# Altium PCB CableNodeRevF Export in PCB ASCII Format.PcbDoc (part 4 of 4)
Units mil, origin at the board's own origin, x right, y up, seen from the top; angles counter-clockwise.
Board outline 3393.33 x 4682.75 mil, 4 copper layers (Top Layer, Internal Plane 1, Internal Plane 2, Bottom Layer); 163 components, 86 nets, 408 pads, 182 vias.
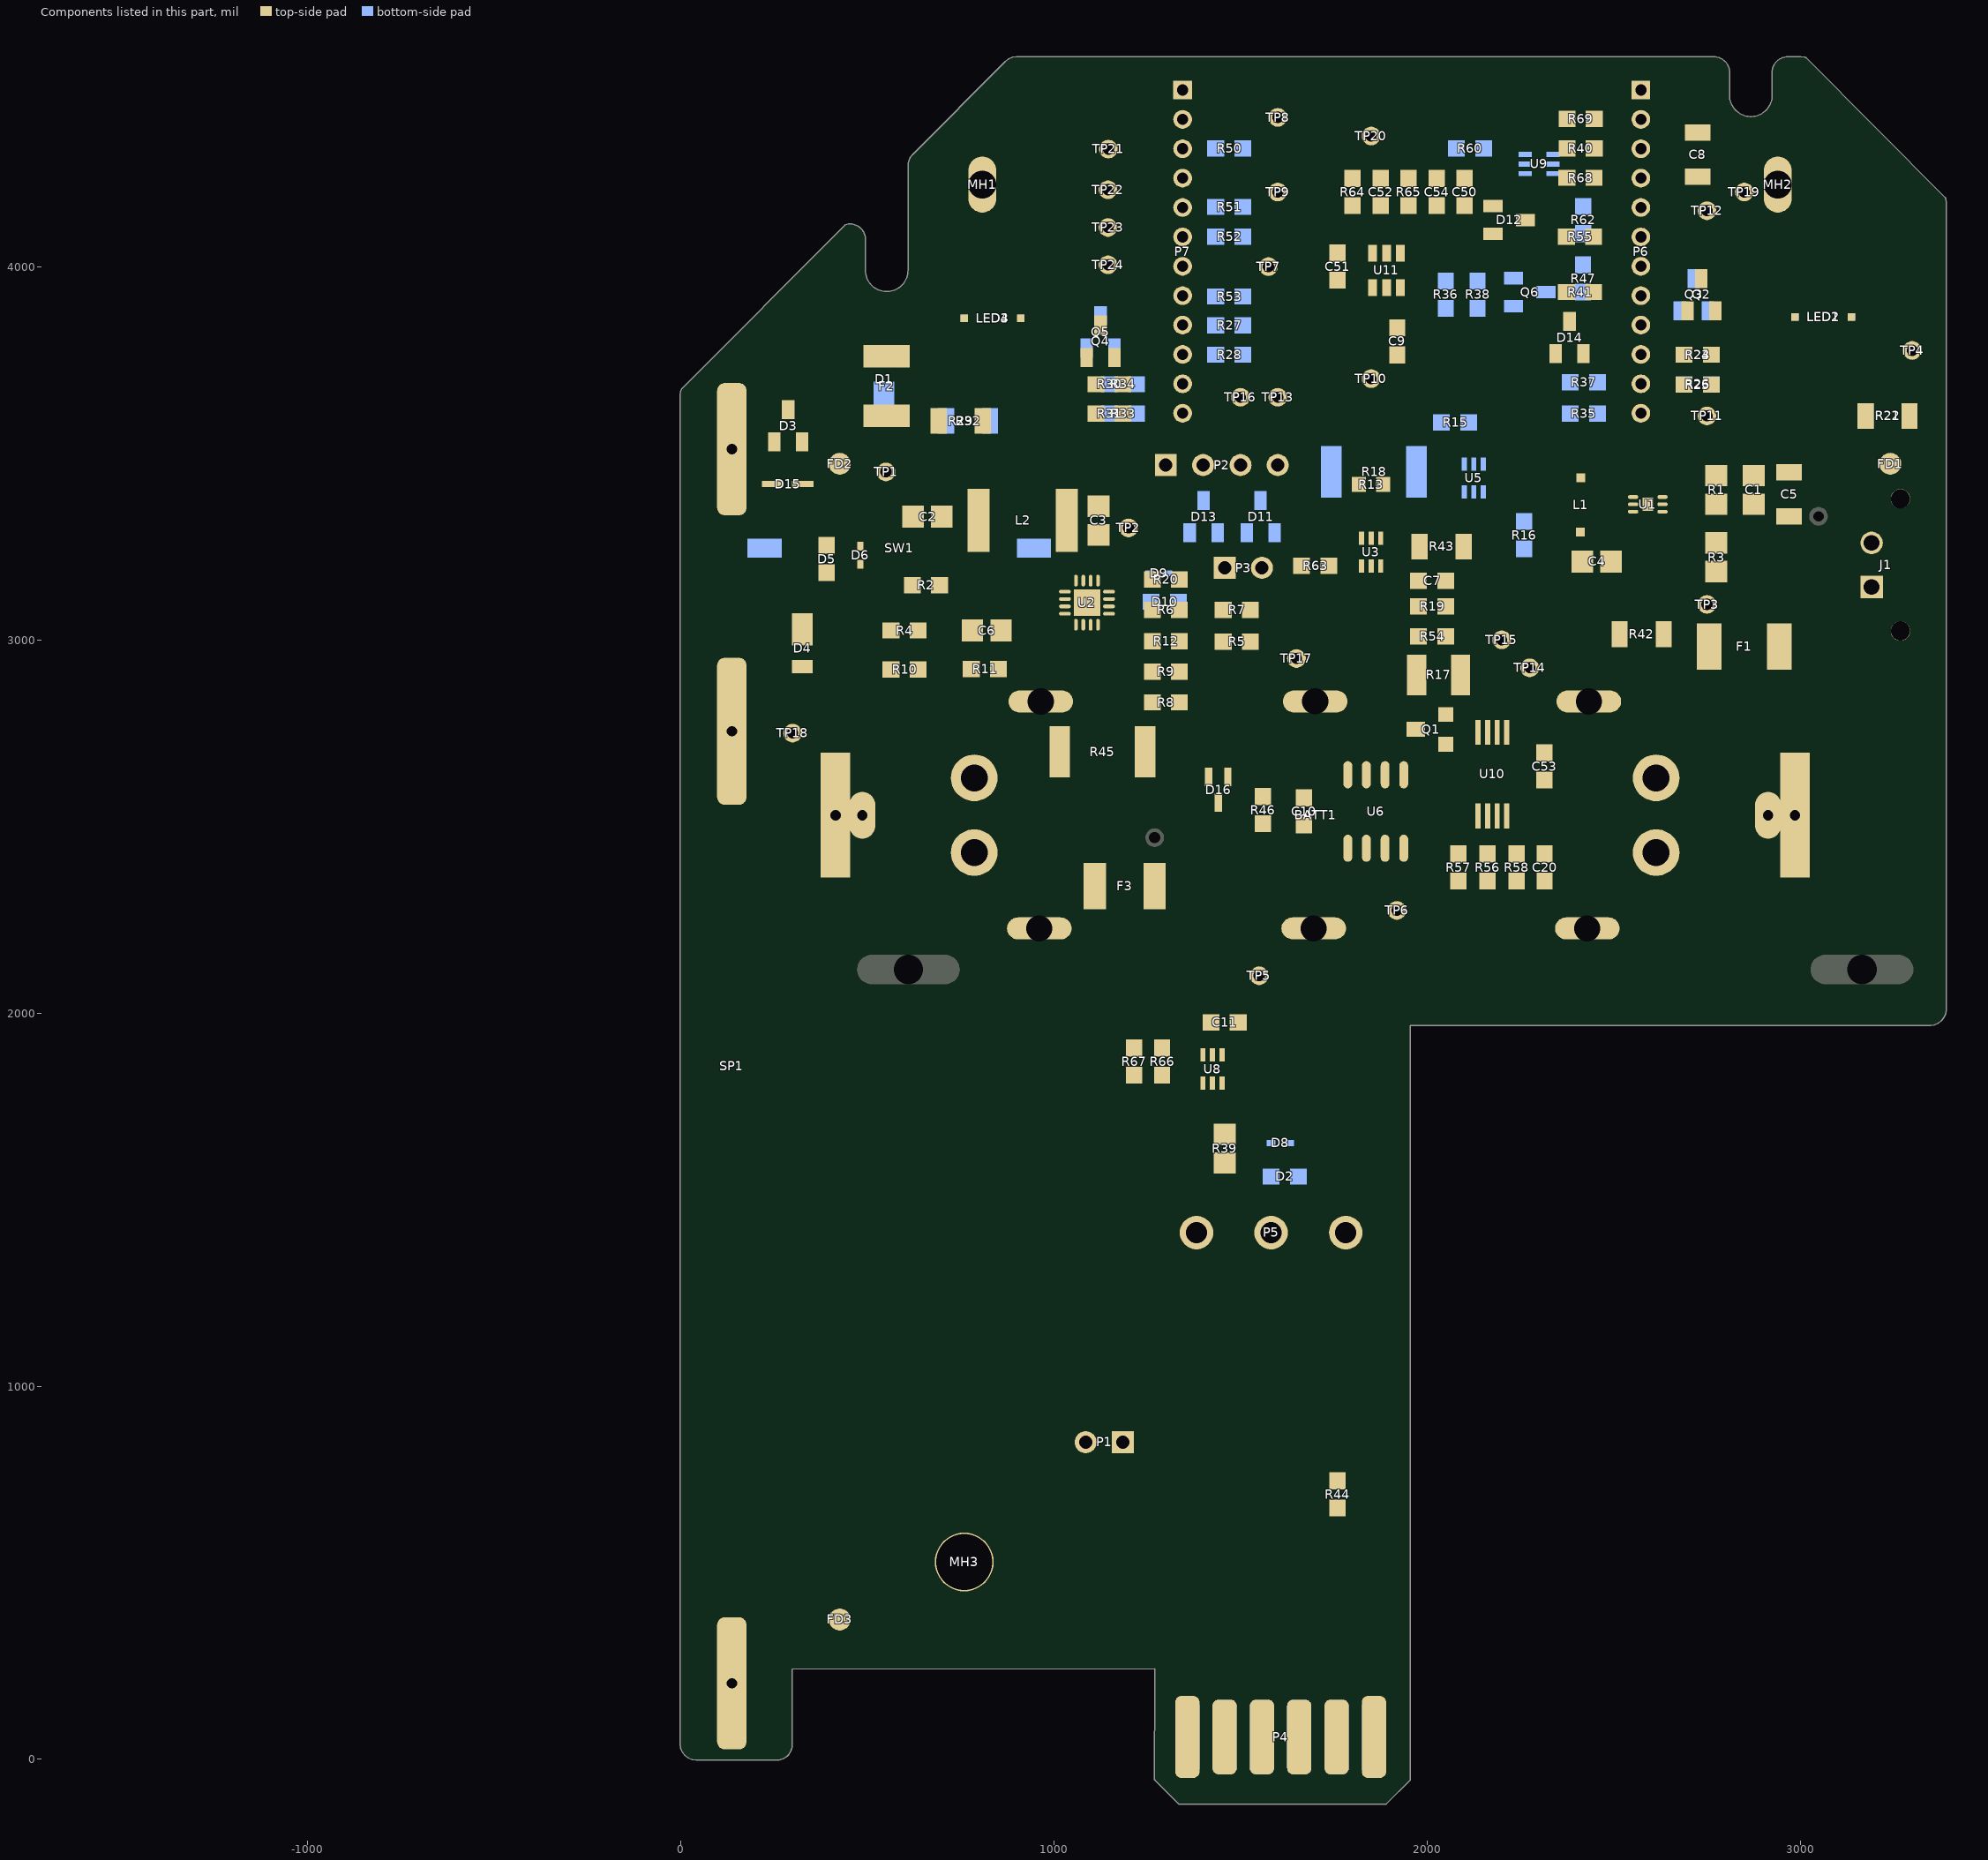
[diagram p6: the components of this part, seen from the top]

## Silkscreen, mask and mechanical layers (free items; w line width, h text height) (continued)
Mechanical 11:
  drawing of 1429 lines, arcs and shapes, not listed
  text "Cable Node Vertical - Rev. F" at 9613.09,9104.74 h50
  text "DESIGN INFORMATION" at 7408.09,9099.74 h60
  text "BOARD NAME:" at 8888.09,9099.74 h60
  text "BOARD TECHNOLOGY" at 7408.09,8999.74 h60
  text "BOARD SIZE (REFER ALSO PROFILING INFORMATION)" at 9308.09,8999.74 h50
  text "xx.xx" at 9612.03,8910.21 h60
  text "28.000" at 8030.1,8906.75 h60
  text "yy.yy" at 10517.54,8906.28 h60
  text "0.008" at 8580.1,8901.75 h60
  text "0.008" at 7519.35,8899.74 h60
  text "(Unit)" at 11150.22,8897.46 h60
  text "X" at 10239.94,8879.74 h70
  text "(MIN. TRACK/   PADS  /CLEARANCE IN 0.001'')" at 7348.09,8799.74 h50
  text "MINIMUM ANNULAR RING 0.05MM (0.002'') EXTERNAL PER IPC-2221 CLASS 3 LEVEL C AND IS THE" at 7408.09,8699.74 h50
  text "MANUFACTURING REGISTRATION ALLOWANCE" at 7408.09,8609.74 h50
  text "LAND SIZE CALCULATION MINIMUM - NOMINAL HOLE SIZE + 0.508MM (0.020'')" at 7408.09,8499.74 h50
  text "AS INSTRUCTED" at 10795.1,8326.75 h60
  text "X" at 8890.1,8321.75 h60
  text "CIRCUIT TYPE:" at 7408.09,8319.74 h60
  text "SS" at 8308.09,8319.74 h50
  text "DS" at 9008.09,8319.74 h50
  text "X" at 9583.09,8319.74 h60
  text "PTH" at 9708.09,8319.74 h50
  text "ML" at 10138.09,8319.74 h50
  text "X" at 10288.09,8319.74 h60
  text "No. OFF" at 10408.09,8319.74 h50
  text "FINGER CONNECTOR DIM PER:" at 7408.09,8199.74 h60
  text "AS SHOWN" at 10408.09,8199.74 h50
  text "No. OFF TOTAL" at 8068.09,8089.74 h60
  text "ONE SIDE" at 9708.09,8089.74 h50
  text "BOTH SIDES" at 10408.09,8079.74 h50
  text "VIAS:" at 7408.09,7974.74 h60
  text "NONE" at 7858.09,7974.74 h45
  text "X" at 8188.09,7974.74 h60
  text "FEED THRU'" at 8308.09,7974.74 h45
  text "TENTED" at 9008.09,7974.74 h45
  text "BURIED LAYER SEQUENCE" at 9708.09,7974.74 h45
  text "UNIQUE DRILL" at 8308.09,7854.74 h45
  text "2 SIZE" at 9008.09,7854.74 h45
  text "BLIND LAYER SEQUENCE" at 9708.09,7854.74 h45
  text "Layer Stack Manager (Altium)" at 8803.09,7764.74 h50
  text "X" at 10288.09,7764.74 h60
  text "AS SHOWN" at 10408.09,7764.74 h50
  text "LAYER CONSTRUCTION PER:" at 7408.09,7759.74 h60
  text "Altium" at 10598.09,7659.74 h50
  text "(PFW)" at 11003.09,7654.74 h50
  text "ARTWORK:" at 7408.09,7649.74 h60
  text "MANUAL" at 8308.09,7649.74 h50
  text "DIGITISED" at 9008.09,7649.74 h50
  text "X" at 9588.09,7649.74 h60
  text "CAD" at 9708.09,7649.74 h50
  text "TYPE" at 10138.09,7649.74 h50
  text "ARTWORK/PATTERN MASTER LIST" at 7408.09,7464.74 h60
  text "DESCRIPTION" at 7458.09,7369.74 h50
  text "DRAWING No./CAD FILE REF." at 8193.09,7369.74 h50
  text "LAYER NAME" at 9818.09,7369.74 h50
  text "GERBER FILE REF" at 10635.1,7366.75 h50
  text "PCB FILE" at 7396.91,7272.73 h50
  text "CableNodeRevF" at 8198.92,7269.74 h50
  text "PcbDoc" at 9428.92,7269.74 h40
  text "Bottom Layer" at 9750.93,7172.73 h40
  text "GBL" at 11428.92,7169.74 h50
  text "CableNodeRevF" at 8198.92,7169 h50
  text "CableNodeRevF" at 10711,7169 h50
  text "GERBER FILE" at 7396.91,7167.73 h50
  text "GBO" at 11426.91,7071.75 h50
  text "Bottom Overlay" at 9750.93,7070.72 h40
  text "CableNodeRevF" at 8198.92,7069 h50
  text "GERBER FILE" at 7396.91,7067.73 h50
  text "CableNodeRevF" at 10711,7063.75 h50
  text "Bottom Paste Mask" at 9750.93,6974.74 h40
  text "GBP" at 11428.92,6969.74 h50
  text "CableNodeRevF" at 8198.92,6969 h50
  text "GERBER FILE" at 7396.91,6967.73 h50
  text "CableNodeRevF" at 10711,6966.74 h50
  text "Bottom Solder Mask" at 9748.99,6876 h40
  text "CableNodeRevF" at 10711,6876 h50
  text "GBS" at 11428.92,6869.74 h50
  text "GERBER FILE" at 7396.91,6867.73 h50
  text "CableNodeRevF" at 8198.92,6867.73 h50
  text "Drill Drawing" at 9750.93,6775.09 h40
  text "GD1" at 11428.92,6772.1 h50
  text "CableNodeRevF" at 10711,6769 h50
  text "GERBER FILE" at 7396.91,6767.73 h50
  text "CableNodeRevF" at 8201,6767.73 h50
  text "Mechanical Layer 11" at 9750.93,6677.1 h40
  text "CableNodeRevF" at 10711,6672.1 h50
  text "GM11" at 11428.92,6672.1 h50
  text "GERBER FILE" at 7396.91,6667.73 h50
  text "CableNodeRevF" at 8201,6667.73 h50
  text "Mechanical Layer 4" at 9750.93,6575.09 h40
  text "GM4" at 11428.92,6572.1 h50
  text "CableNodeRevF" at 8201,6569 h50
  text "CableNodeRevF" at 10711,6569 h50
  text "GERBER FILE" at 7396.91,6567.73 h50
  text "Internal Plane 1" at 9750.93,6477.1 h40
  text "GP1" at 11428.92,6472.1 h50
  text "CableNodeRevF" at 8198.92,6469 h50
  text "CableNodeRevF" at 10711,6469 h50
  text "GERBER FILE" at 7396.91,6467.73 h50
  text "Internal Plane 2" at 9750.93,6375.09 h40
  text "GP2" at 11428.92,6372.1 h50
  text "CableNodeRevF" at 8198.92,6369 h50
  text "CableNodeRevF" at 10711,6369 h50
  text "GERBER FILE" at 7396.91,6367.73 h50
  text "Bottom Pad Master" at 9750.93,6275.88 h40
  text "GBP" at 11428.92,6272.89 h50
  text "CableNodeRevF" at 8201,6269 h50
  text "GERBER FILE" at 7396.91,6267.73 h50
  text "CableNodeRevF" at 10713,6264.89 h50
  text "Top Pad Master" at 9750.93,6170.88 h40
  text "CableNodeRevF" at 8201,6169 h50
  text "CableNodeRevF" at 10711,6169 h50
  text "GTP" at 11426.91,6169 h50
  text "GERBER FILE" at 7398.09,6166 h50
  text "Top Layer" at 9750.93,6075.88 h40
  text "CableNodeRevF" at 8201,6069 h50
  text "CableNodeRevF" at 10711,6069 h50
  text "GTL" at 11426.91,6069 h50
  text "GERBER FILE" at 7400.09,6066 h50
  text "Top Overlay" at 9750.93,5970.72 h40
  text "CableNodeRevF" at 10711,5969 h50
  text "GTO" at 11431,5969 h50
  text "GERBER FILE" at 7400.09,5966 h50
  text "CableNodeRevF" at 8201,5966 h50
  text "Top Paste Mask" at 9750.93,5874.74 h40
  text "CableNodeRevF" at 8198.92,5869 h50
  text "CableNodeRevF" at 10711,5869 h50
  text "GTP" at 11426.91,5869 h50
  text "GERBER FILE" at 7400.09,5866 h50
  text "Top Solder Mask" at 9750.93,5776 h40
  text "CableNodeRevF" at 10711,5769 h50
  text "GTS" at 11426.91,5769 h50
  text "GERBER FILE" at 7400.09,5766 h50
  text "CableNodeRevF" at 8198.92,5766 h50
  text "Aperture List" at 9750.93,5676 h40
  text "CableNodeRevF" at 8201,5669 h50
  text "CableNodeRevF" at 10713,5669 h50
  text "APR" at 11426.91,5669 h50
  text "APERTURE LIST" at 7398.09,5666 h50
  text "Drill Report" at 9750.93,5576 h40
  text "CableNodeRevF" at 10713,5576 h50
  text "CableNodeRevF" at 8201,5569 h50
  text "DRR" at 11423,5569 h50
  text "DRILL REPORT" at 7400.09,5566 h50
  text "Excellon Drill Report" at 9748.99,5476 h40
  text "CableNodeRevF" at 10713,5469 h50
  text "RUL" at 11423,5469 h50
  text "EXCELLON DRILL" at 7400.09,5466 h50
  text "CableNodeRevF" at 8201,5466 h50
  text "CableNodeRevF" at 8201,5369 h50
  text "ReadMe" at 10721,5369 h50
  text "TXT" at 11420.92,5369 h50
  text "GENERAL INFO" at 7400.09,5366 h50
  text "Readme Text File" at 9750.93,5366 h40
  text "Mechanical Layer 2" at 9750,5280 h40
  text "CableNodeRevF" at 8200,5270 h50
  text "CableNodeRevF" at 10720,5270 h50
  text "GM2" at 11420,5270 h50
  text "GERBER FILE" at 7400,5260 h50
  text "MATERIAL:" at 7408.09,5059.74 h60
  text "GLASS FIBRE EPOXY RESIN NEMA GRADE FR4 (MIL-S-13949H)" at 8418.09,5049.74 h50
  text "X" at 8313.09,5044.74 h60
  text "Mechanical 11 Layer: File and PCB Ordering Information" at 3955,5000 h150
  text "THICKNESS:" at 7718.09,4934.74 h50
  text "0.031\"" at 8418.09,4934.74 h50
  text "0.062\"" at 9113.09,4934.74 h50
  text "0.093" at 9808.09,4934.74 h50
  text "0.125" at 10508.09,4934.74 h50
  text "X" at 9008.99,4926.74 h60
  text "TOLERANCE:" at 7713.09,4814.74 h50
  text "IN A/W IPC-D-300G CLASS" at 8408.09,4814.74 h50
  text "3 LEVEL B" at 9783.09,4814.74 h50
  text "OTHER +/-" at 10508.09,4814.74 h50
  text "X" at 8313.09,4809.74 h60
  text "BOW & TWIST:" at 7618.09,4694.74 h50
  text "IN A/W IPC-D-300G CLASS" at 8408.09,4694.74 h50
  text "3 LEVEL B" at 9783.09,4694.74 h50
  text "AS SHOWN" at 10513.09,4689.74 h50
  text "X" at 8313.09,4684.74 h60
  text "COPPER THICKNESS (FINISHED)" at 7713.09,4564.74 h50
  text "OUTER:" at 7903.09,4474.74 h50
  text "18um" at 8418.09,4474.74 h50
  text "35um" at 9483.09,4474.74 h50
  text "70um" at 10518.09,4474.74 h50
  text "X" at 9375.1,4466.75 h60
  text "INNER SIGNAL:" at 7573.09,4354.74 h50
  text "18um" at 8418.09,4354.74 h50
  text "35um" at 9483.09,4354.74 h50
  text "70um" at 10518.09,4354.74 h50
  text "X" at 9376.1,4345.75 h60
  text "INNER PWR:" at 7718.09,4234.74 h50
  text "18um" at 8418.09,4234.74 h50
  text "35um" at 9483.09,4234.74 h50
  text "70um" at 10518.09,4234.74 h50
  text "X" at 9375.1,4224.75 h60
  text "STRUCTURE:" at 7408.09,4114.74 h60
  text "REFER" at 8418.09,4114.74 h50
  text "AS PER DRAWING No." at 8413.09,3989.74 h50
  text "AS SHOWN" at 10513.09,3989.74 h50
  text "X" at 10413.09,3984.74 h60
  text "DRILLING:" at 7408.09,3879.74 h60
  text "VIEWED FROM:" at 7603.09,3789.74 h50
  text "COMPONENT SIDE" at 8418.09,3789.74 h45
  text "SOLDER SIDE" at 9473.09,3789.74 h45
  text "X" at 8313.09,3779.74 h60
  text "REFERENCE:" at 7693.09,3669.74 h50
  text "AS SHOWN" at 8413.09,3664.74 h45
  text "PATTERN MASTER LIST" at 9478.09,3664.74 h45
  text "X" at 10413.09,3664.74 h60
  text "NC_DRILL FILES" at 10513.09,3664.74 h45
  text "X" at 8313.09,3659.74 h60
  text "PTH MINIMUM COPPER THICKNESS:" at 7923.09,3549.74 h50
  text "20um" at 9483.09,3549.74 h50
  text "X" at 9378.09,3544.74 h60
  text "OTHER" at 10513.09,3544.74 h50
  text "NPTH:" at 7943.09,3429.74 h50
  text "TENTED" at 8413.09,3424.74 h45
  text "PADS REMOVED" at 9478.09,3424.74 h45
  text "REMOVE PADS" at 10513.09,3424.74 h45
  text "2nd DRILL" at 8413.09,3304.74 h45
  text "BOTH" at 9478.09,3304.74 h45
  text "AS SHOWN" at 9963.09,3304.74 h45
  text "NONE" at 10513.09,3304.74 h45
  text "BOARD FINISH:" at 7408.09,3189.74 h60
  text "X" at 8313.09,3184.74 h60
  text "ETCHING" at 8413.09,3184.74 h45
  text "REFER PATTERN MASTER LIST" at 9478.09,3184.74 h45
  text "LEGEND / SCREEN PRINT:" at 8208.09,3069.74 h50
  text "NONE" at 9478.09,3064.74 h45
  text "COMPONENT" at 9963.09,3064.74 h45
  text "SOLDER" at 10513.09,3064.74 h45
  text "X" at 9863.09,3059.74 h60
  text "X" at 10413.09,3059.74 h60
  text "COLOUR:" at 7823.09,2949.74 h50
  text "WHITE" at 8413.09,2944.74 h45
  text "YELLOW" at 9478.09,2944.74 h45
  text "OTHER" at 10513.09,2944.74 h45
  text "X" at 8313.09,2939.74 h60
  text "X" at 8313.09,2824.74 h60
  text "LIQUID PHOTOIMAGEABLE" at 8413.09,2824.74 h45
  text "SCREEN PRINT" at 9963.09,2824.74 h45
  text "MATTE" at 8413.09,2704.74 h45
  text "GLOSS" at 8913.09,2704.74 h45
  text "GREEN" at 9478.09,2704.74 h45
  text "BLUE" at 9963.09,2704.74 h45
  text "G/Y" at 10513.09,2704.74 h45
  text "OTHER" at 10963.09,2704.74 h45
  text "X" at 8808.09,2699.74 h60
  text "SOLDER MASK COLOUR:" at 7408.09,2589.74 h45
  text "X" at 8810,2590 h60
  text "BLACK" at 8413.09,2584.74 h45
  text "GREEN" at 8913.09,2584.74 h45
  text "YELLOW" at 9478.09,2584.74 h45
  text "BLUE" at 9963.09,2584.74 h45
  text "OTHER" at 10513.09,2584.74 h45
  text "TRACK FINISH:" at 7408.09,2469.74 h60
  text "SELECTIVE SOLDER (HASL)" at 8413.09,2464.74 h45
  text "REFLOW SOLDER" at 9963.09,2464.74 h45
  text "X" at 8310.14,2461.79 h60
  text "SELECTIVE GOLD" at 8413.09,2344.74 h45
  text "um  (AREA" at 9478.09,2344.74 h45
  text "sq. mm)" at 10573.09,2344.74 h45
  text "REFER PATTERN MASTER LIST" at 8413.09,2224.74 h45
  text "OTHER" at 9963.09,2224.74 h45
  text "EDGE BOARD" at 7408.09,2109.74 h60
  text "X" at 8308.99,2106 h60
  text "1.3um HARD GOLD OVER 5um     NICKEL / TIN-NICKEL" at 8413.09,2104.74 h45
  text "CONTACTS:" at 7408.09,2024.74 h60
  text "HARD FINISH GOLDE PLATE" at 8413.09,1984.74 h45
  text "OTHER" at 9963.09,1984.74 h45
  text "AS SHOWN" at 8413.09,1864.74 h45
  text "REFER" at 9963.09,1864.74 h45
  text "PROFILING:" at 7408.09,1744.74 h60
  text "AS DIMENSIONED, MEASURED AND CUT FROM SPECIFIED DATUM." at 8413.09,1744.74 h45
  text "X" at 8313.09,1739.74 h60
  text "REFER PCB BLANK DWG No." at 8418.09,1629.74 h50
  text "USE PROFILE / ROUTE TAPE SUPPLIED (REFER PATTERN MASTER LIST)" at 8418.09,1509.74 h50
  text "SQUARE CUT" at 8418.09,1389.74 h50
  text "N.C. ROUTE" at 9118.09,1389.74 h50
  text "V. SCORE" at 9818.09,1389.74 h50
  text "BLANK" at 10518.09,1389.74 h50
  text "ACCEPTABILITY:" at 7408.09,1284.74 h60
  text "MATERIALS AND WORKMANSHIP FOR ALL PRINTED WIRING BOARDS TO MEET" at 8283.09,1279.74 h50
  text "OR EXCEED THE REQUIREMENTS OF:" at 8283.09,1169.74 h50
  text "IPC-6011/12 AND IPC-A-600E" at 8423.09,1064.74 h50
  text "1" at 9823.09,1064.74 h50
  text "2" at 10173.09,1064.74 h50
  text "X" at 10068.09,1059.74 h60
  text "X" at 8318.09,1054.74 h60
  text "3" at 10523.09,979.74 h50
  text "UL CERTIFICATION" at 8423.09,944.74 h50
  text "AUSTEL" at 9823.09,944.74 h50
  text "X" at 8318.09,939.74 h60
  text "ML-P-55110F GRP" at 8403.09,824.74 h40
  text "A" at 9123.09,824.74 h50
  text "B" at 9473.09,824.74 h50
  text "AS2546" at 9823.09,824.74 h50
  text "OTHER" at 10523.09,824.74 h50
  text "ADDITIONAL" at 7408.09,709.74 h60
  text "NONE" at 8423.09,699.74 h50
  text "SAMPLE PLAN" at 9123.09,699.74 h50
  text "MIL-P-55110E SERIAL Nos. PER ORDER" at 9823.09,699.74 h50
  text "REQUIREMENTS:" at 7408.09,614.74 h60
  text "NONE" at 8423.09,579.74 h50
  text "ML-P-55110F GRP" at 9103.09,579.74 h40
  text "A" at 9823.09,579.74 h50
  text "B" at 10173.09,579.74 h50
  text "IPC CLASS:" at 10408.09,579.74 h50
  text "1" at 11018.09,579.74 h50
  text "2" at 11268.09,579.74 h50
  text "3" at 11518.09,579.74 h50
  text "QUALITY RELEASE REPORT" at 9123.09,459.74 h50
  text "OTHER" at 10718.09,459.74 h50
  text "PER ORDER" at 11053.09,454.74 h50
  text "X" at 10613.09,449.74 h60
  text "NONE" at 9123.09,339.74 h50
  text "REQUIRED" at 9823.09,339.74 h50
  text "PER ORDER" at 10723.09,339.74 h50
  text "ELECTRICAL TEST:" at 7408.09,334.74 h60
  text "X" at 9718.09,334.74 h60
  text "NONE" at 9123.09,219.74 h50
  text "1 SIDE" at 9818.09,219.74 h45
  text "2 SIDES" at 10258.09,219.74 h45
  text "MIN. PITCH" at 10718.09,219.74 h50
  text "0.65mm" at 11253.09,219.74 h50
  text "SURFACE MOUNT:" at 7408.09,214.74 h60
  text "X" at 10170.1,211.75 h60
  text "NONE" at 9123.09,99.74 h50
  text "FOIL" at 9823.09,99.74 h50
  text "LEGEND" at 10273.09,99.74 h50
  text "REFER" at 10718.09,99.74 h50
  text "MANUFACTURER'S ID/LOGO:" at 7408.09,94.74 h60
  text "ISO9001/AS3901" at 9273.09,-20.26 h50
  text "NONE" at 10718.09,-20.26 h50
  text "MANUFACTURER'S ACCREDITATION:" at 7408.09,-25.26 h60
  text "X" at 9168.09,-25.26 h60
  text "PER ORDER" at 9123.09,-140.26 h50
  text "REFER" at 9823.09,-140.26 h50
  text "PACKAGING AND HANDLING:" at 7408.09,-145.26 h60
  text "X" at 9018.09,-150.26 h60
  text "Gateway Vertical - Rev. C" at 11606.09,-7521.26 h50
  text "DESIGN INFORMATION" at 9401.09,-7526.26 h60
  text "BOARD NAME:" at 10881.09,-7526.26 h60
  text "BOARD TECHNOLOGY" at 9401.09,-7626.26 h60
  text "BOARD SIZE (REFER ALSO PROFILING INFORMATION)" at 11301.09,-7626.26 h50
  text "xx.xx" at 11605.03,-7715.79 h60
  text "28.000" at 10023.1,-7719.25 h60
  text "yy.yy" at 12510.54,-7719.72 h60
  text "0.008" at 10573.1,-7724.25 h60
  text "0.008" at 9512.35,-7726.26 h60
  text "(Unit)" at 13143.22,-7728.54 h60
  text "X" at 12232.94,-7746.26 h70
  text "(MIN. TRACK/   PADS  /CLEARANCE IN 0.001'')" at 9341.09,-7826.26 h50
  text "MINIMUM ANNULAR RING 0.05MM (0.002'') EXTERNAL PER IPC-2221 CLASS 3 LEVEL C AND IS THE" at 9401.09,-7926.26 h50
  text "MANUFACTURING REGISTRATION ALLOWANCE" at 9401.09,-8016.26 h50
  text "LAND SIZE CALCULATION MINIMUM - NOMINAL HOLE SIZE + 0.508MM (0.020'')" at 9401.09,-8126.26 h50
  text "AS INSTRUCTED" at 12788.1,-8299.25 h60
  text "X" at 10883.1,-8304.25 h60
  text "CIRCUIT TYPE:" at 9401.09,-8306.26 h60
  text "SS" at 10301.09,-8306.26 h50
  text "DS" at 11001.09,-8306.26 h50
  text "X" at 11576.09,-8306.26 h60
  text "PTH" at 11701.09,-8306.26 h50
  text "ML" at 12131.09,-8306.26 h50
  text "X" at 12281.09,-8306.26 h60
  text "No. OFF" at 12401.09,-8306.26 h50
  text "FINGER CONNECTOR DIM PER:" at 9401.09,-8426.26 h60
  text "AS SHOWN" at 12401.09,-8426.26 h50
  text "No. OFF TOTAL" at 10061.09,-8536.26 h60
  text "ONE SIDE" at 11701.09,-8536.26 h50
  text "BOTH SIDES" at 12401.09,-8546.26 h50
  text "VIAS:" at 9401.09,-8651.26 h60
  text "NONE" at 9851.09,-8651.26 h45
  text "X" at 10181.09,-8651.26 h60
  text "FEED THRU'" at 10301.09,-8651.26 h45
  text "X" at 10881.09,-8651.26 h60
  text "TENTED" at 11001.09,-8651.26 h45
  text "BURIED LAYER SEQUENCE" at 11701.09,-8651.26 h45
  text "UNIQUE DRILL" at 10301.09,-8771.26 h45
  text "2 SIZE" at 11001.09,-8771.26 h45
  text "BLIND LAYER SEQUENCE" at 11701.09,-8771.26 h45
  text "Layer Stack Manager (Altium)" at 10796.09,-8861.26 h50
  text "X" at 12281.09,-8861.26 h60
  text "AS SHOWN" at 12401.09,-8861.26 h50
  text "LAYER CONSTRUCTION PER:" at 9401.09,-8866.26 h60
  text "Altium" at 12591.09,-8966.26 h50
  text "(PFW)" at 12996.09,-8971.26 h50
  text "ARTWORK:" at 9401.09,-8976.26 h60
  text "MANUAL" at 10301.09,-8976.26 h50
  text "DIGITISED" at 11001.09,-8976.26 h50
  text "X" at 11581.09,-8976.26 h60
  text "CAD" at 11701.09,-8976.26 h50
  text "TYPE" at 12131.09,-8976.26 h50
  text "ARTWORK/PATTERN MASTER LIST" at 9401.09,-9161.26 h60
  text "DESCRIPTION" at 9451.09,-9256.26 h50
  text "DRAWING No./CAD FILE REF." at 10186.09,-9256.26 h50
  text "LAYER NAME" at 11811.09,-9256.26 h50
  text "GERBER FILE REF" at 12628.1,-9259.25 h50
  text "PCB FILE" at 9389.91,-9353.27 h50
  text "GWNodeRevC" at 10191.92,-9356.26 h50
  text "PcbDoc" at 11421.92,-9356.26 h40
  text "Bottom Layer" at 11743.93,-9453.27 h40
  text "GBL" at 13421.92,-9456.26 h50
  text "GWNodeRevC" at 10191.92,-9457 h50
  text "GWNodeRevC" at 12704,-9457 h50
  text "GERBER FILE" at 9389.91,-9458.27 h50
  text "GBO" at 13419.91,-9554.25 h50
  text "Bottom Overlay" at 11743.93,-9555.28 h40
  text "GWNodeRevC" at 10191.92,-9557 h50
  text "GERBER FILE" at 9389.91,-9558.27 h50
  text "GWNodeRevC" at 12704,-9562.25 h50
  text "Bottom Paste Mask" at 11743.93,-9651.26 h40
  text "GBP" at 13421.92,-9656.26 h50
  text "GWNodeRevC" at 10191.92,-9657 h50
  text "GERBER FILE" at 9389.91,-9658.27 h50
  text "GWNodeRevC" at 12704,-9659.26 h50
  text "Bottom Solder Mask" at 11741.99,-9750 h40
  text "GWNodeRevC" at 12704,-9750 h50
  text "GBS" at 13421.92,-9756.26 h50
  text "GERBER FILE" at 9389.91,-9758.27 h50
  text "GWNodeRevC" at 10191.92,-9758.27 h50
  text "Drill Drawing" at 11743.93,-9850.91 h40
  text "GD1" at 13421.92,-9853.9 h50
  text "GWNodeRevC" at 12704,-9857 h50
  text "GERBER FILE" at 9389.91,-9858.27 h50
  text "GWNodeRevC" at 10194,-9858.27 h50
  text "Mechanical Layer 11" at 11743.93,-9948.9 h40
  text "GWNodeRevC" at 12704,-9953.9 h50
  text "GM11" at 13421.92,-9953.9 h50
  text "GERBER FILE" at 9389.91,-9958.27 h50
  text "GWNodeRevC" at 10194,-9958.27 h50
  text "Mechanical layer 4" at 11743.93,-10050.91 h40
  text "GM4" at 13421.92,-10053.9 h50
  text "GWNodeRevC" at 10194,-10057 h50
  text "GWNodeRevC" at 12704,-10057 h50
  text "GERBER FILE" at 9389.91,-10058.27 h50
  text "Internal Plane 1" at 11743.93,-10148.9 h40
  text "GP1" at 13421.92,-10153.9 h50
  text "GWNodeRevC" at 10191.92,-10157 h50
  text "GWNodeRevC" at 12704,-10157 h50
  text "GERBER FILE" at 9389.91,-10158.27 h50
  text "Internal Plane 2" at 11743.93,-10250.91 h40
  text "GP2" at 13421.92,-10253.9 h50
  text "GWNodeRevC" at 10191.92,-10257 h50
  text "GWNodeRevC" at 12704,-10257 h50
  text "GERBER FILE" at 9389.91,-10258.27 h50
  text "Bottom Pad Master" at 11743.93,-10350.12 h40
  text "GBP" at 13421.92,-10353.11 h50
  text "GWNodeRevC" at 10194,-10357 h50
  text "GERBER FILE" at 9389.91,-10358.27 h50
  text "GWNodeRevC" at 12706,-10361.11 h50
  text "Top Pad Master" at 11743.93,-10455.12 h40
  text "GWNodeRevC" at 10194,-10457 h50
  text "GWNodeRevC" at 12704,-10457 h50
  text "GTP" at 13419.91,-10457 h50
  text "GERBER FILE" at 9391.09,-10460 h50
  text "Top Layer" at 11743.93,-10550.12 h40
  text "GWNodeRevC" at 10194,-10557 h50
  text "GWNodeRevC" at 12704,-10557 h50
  text "GTL" at 13419.91,-10557 h50
  text "GERBER FILE" at 9393.09,-10560 h50
  text "Top Overlay" at 11743.93,-10655.28 h40
  text "GWNodeRevC" at 12704,-10657 h50
  text "GTO" at 13424,-10657 h50
  text "GERBER FILE" at 9393.09,-10660 h50
  text "GWNodeRevC" at 10194,-10660 h50
  text "Top Paste Mask" at 11743.93,-10751.26 h40
  text "GWNodeRevC" at 10191.92,-10757 h50
  text "GWNodeRevC" at 12704,-10757 h50
  text "GTP" at 13419.91,-10757 h50
  text "GERBER FILE" at 9393.09,-10760 h50
  text "Top Solder Mask" at 11743.93,-10850 h40
  text "GWNodeRevC" at 12704,-10857 h50
  text "GTS" at 13419.91,-10857 h50
  text "GERBER FILE" at 9393.09,-10860 h50
  text "GWNodeRevC" at 10191.92,-10860 h50
  text "Aperture List" at 11743.93,-10950 h40
  text "GWNodeRevC" at 10194,-10957 h50
  text "GWNodeRevC" at 12706,-10957 h50
  text "APR" at 13419.91,-10957 h50
  text "APERTURE LIST" at 9391.09,-10960 h50
  text "Drill Report" at 11743.93,-11050 h40
  text "GWNodeRevC" at 12706,-11050 h50
  text "GWNodeRevC" at 10194,-11057 h50
  text "DRR" at 13416,-11057 h50
  text "DRILL REPORT" at 9393.09,-11060 h50
  text "Excellon Drill Report" at 11741.99,-11150 h40
  text "GWNodeRevC" at 12706,-11157 h50
  text "RUL" at 13416,-11157 h50
  text "EXCELLON DRILL" at 9393.09,-11160 h50
  text "GWNodeRevC" at 10194,-11160 h50
  text "GWNodeRevC" at 10194,-11257 h50
  text "ReadMe" at 12714,-11257 h50
  text "TXT" at 13413.92,-11257 h50
  text "GENERAL INFO" at 9393.09,-11260 h50
  text "Readme Text File" at 11743.93,-11260 h40
  text "MATERIAL:" at 9401.09,-11566.26 h60
  text "GLASS FIBRE EPOXY RESIN NEMA GRADE FR4 (MIL-S-13949H)" at 10411.09,-11576.26 h50
  text "X" at 10306.09,-11581.26 h60
  text "THICKNESS:" at 9711.09,-11691.26 h50
  text "0.031\"" at 10411.09,-11691.26 h50
  text "0.062\"" at 11106.09,-11691.26 h50
  text "0.093" at 11801.09,-11691.26 h50
  text "0.125" at 12501.09,-11691.26 h50
  text "X" at 11001.99,-11699.26 h60
  text "TOLERANCE:" at 9706.09,-11811.26 h50
  text "IN A/W IPC-D-300G CLASS" at 10401.09,-11811.26 h50
  text "3 LEVEL B" at 11776.09,-11811.26 h50
  text "OTHER +/-" at 12501.09,-11811.26 h50
  text "X" at 10306.09,-11816.26 h60
  text "BOW & TWIST:" at 9611.09,-11931.26 h50
  text "IN A/W IPC-D-300G CLASS" at 10401.09,-11931.26 h50
  text "3 LEVEL B" at 11776.09,-11931.26 h50
  text "AS SHOWN" at 12506.09,-11936.26 h50
  text "X" at 10306.09,-11941.26 h60
  text "COPPER THICKNESS (FINISHED)" at 9706.09,-12061.26 h50
  text "OUTER:" at 9896.09,-12151.26 h50
  text "18um" at 10411.09,-12151.26 h50
  text "35um" at 11476.09,-12151.26 h50
  text "70um" at 12511.09,-12151.26 h50
  text "X" at 11368.1,-12159.25 h60
  text "INNER SIGNAL:" at 9566.09,-12271.26 h50
  text "18um" at 10411.09,-12271.26 h50
  text "35um" at 11476.09,-12271.26 h50
  text "70um" at 12511.09,-12271.26 h50
  text "X" at 11369.1,-12280.25 h60
  text "INNER PWR:" at 9711.09,-12391.26 h50
  text "18um" at 10411.09,-12391.26 h50
  text "35um" at 11476.09,-12391.26 h50
  text "70um" at 12511.09,-12391.26 h50
  text "X" at 11368.1,-12401.25 h60
  text "STRUCTURE:" at 9401.09,-12511.26 h60
  text "REFER" at 10411.09,-12511.26 h50
  text "AS PER DRAWING No." at 10406.09,-12636.26 h50
  text "AS SHOWN" at 12506.09,-12636.26 h50
  text "X" at 12406.09,-12641.26 h60
  text "DRILLING:" at 9401.09,-12746.26 h60
  text "VIEWED FROM:" at 9596.09,-12836.26 h50
  text "COMPONENT SIDE" at 10411.09,-12836.26 h45
  text "SOLDER SIDE" at 11466.09,-12836.26 h45
  text "X" at 10306.09,-12846.26 h60
  text "REFERENCE:" at 9686.09,-12956.26 h50
  text "AS SHOWN" at 10406.09,-12961.26 h45
  text "PATTERN MASTER LIST" at 11471.09,-12961.26 h45
  text "X" at 12406.09,-12961.26 h60
  text "NC_DRILL FILES" at 12506.09,-12961.26 h45
  text "X" at 10306.09,-12966.26 h60
  text "PTH MINIMUM COPPER THICKNESS:" at 9916.09,-13076.26 h50
  text "20um" at 11476.09,-13076.26 h50
  text "X" at 11371.09,-13081.26 h60
  text "OTHER" at 12506.09,-13081.26 h50
  text "NPTH:" at 9936.09,-13196.26 h50
  text "TENTED" at 10406.09,-13201.26 h45
  text "X" at 11371.09,-13201.26 h60
  text "PADS REMOVED" at 11471.09,-13201.26 h45
  text "REMOVE PADS" at 12506.09,-13201.26 h45
  text "X" at 10306.09,-13206.26 h60
  text "2nd DRILL" at 10406.09,-13321.26 h45
  text "BOTH" at 11471.09,-13321.26 h45
  text "AS SHOWN" at 11956.09,-13321.26 h45
  text "NONE" at 12506.09,-13321.26 h45
  text "BOARD FINISH:" at 9401.09,-13436.26 h60
  text "X" at 10306.09,-13441.26 h60
  text "ETCHING" at 10406.09,-13441.26 h45
  text "REFER PATTERN MASTER LIST" at 11471.09,-13441.26 h45
  text "LEGEND / SCREEN PRINT:" at 10201.09,-13556.26 h50
  text "NONE" at 11471.09,-13561.26 h45
  text "COMPONENT" at 11956.09,-13561.26 h45
  text "SOLDER" at 12506.09,-13561.26 h45
  text "X" at 11856.09,-13566.26 h60
  text "X" at 12406.09,-13566.26 h60
  text "COLOUR:" at 9816.09,-13676.26 h50
  text "WHITE" at 10406.09,-13681.26 h45
  text "YELLOW" at 11471.09,-13681.26 h45
  text "OTHER" at 12506.09,-13681.26 h45
  text "X" at 10306.09,-13686.26 h60
  text "X" at 10306.09,-13801.26 h60
  text "LIQUID PHOTOIMAGEABLE" at 10406.09,-13801.26 h45
  text "SCREEN PRINT" at 11956.09,-13801.26 h45
  text "MATTE" at 10406.09,-13921.26 h45
  text "GLOSS" at 10906.09,-13921.26 h45
  text "GREEN" at 11471.09,-13921.26 h45
  text "BLUE" at 11956.09,-13921.26 h45
  text "G/Y" at 12506.09,-13921.26 h45
  text "OTHER" at 12956.09,-13921.26 h45
  text "X" at 10801.09,-13926.26 h60
  text "SOLDER MASK COLOUR:" at 9401.09,-14036.26 h45
  text "BLACK" at 10406.09,-14041.26 h45
  text "GREEN" at 10906.09,-14041.26 h45
  text "YELLOW" at 11471.09,-14041.26 h45
  text "BLUE" at 11956.09,-14041.26 h45
  text "OTHER" at 12506.09,-14041.26 h45
  text "X" at 10799.99,-14046 h60
  text "TRACK FINISH:" at 9401.09,-14156.26 h60
  text "SELECTIVE SOLDER (HASL)" at 10406.09,-14161.26 h45
  text "REFLOW SOLDER" at 11956.09,-14161.26 h45
  text "X" at 10303.14,-14164.21 h60
  text "SELECTIVE GOLD" at 10406.09,-14281.26 h45
  text "um  (AREA" at 11471.09,-14281.26 h45
  text "sq. mm)" at 12566.09,-14281.26 h45
  text "REFER PATTERN MASTER LIST" at 10406.09,-14401.26 h45
  text "OTHER" at 11956.09,-14401.26 h45
  text "EDGE BOARD" at 9401.09,-14516.26 h60
  text "X" at 10301.99,-14520 h60
  text "1.3um HARD GOLD OVER 5um     NICKEL / TIN-NICKEL" at 10406.09,-14521.26 h45
  text "CONTACTS:" at 9401.09,-14601.26 h60
  text "HARD FINISH GOLDE PLATE" at 10406.09,-14641.26 h45
  text "OTHER" at 11956.09,-14641.26 h45
  text "AS SHOWN" at 10406.09,-14761.26 h45
  text "REFER" at 11956.09,-14761.26 h45
  text "PROFILING:" at 9401.09,-14881.26 h60
  text "AS DIMENSIONED, MEASURED AND CUT FROM SPECIFIED DATUM." at 10406.09,-14881.26 h45
  text "X" at 10306.09,-14886.26 h60
  text "REFER PCB BLANK DWG No." at 10411.09,-14996.26 h50
  text "USE PROFILE / ROUTE TAPE SUPPLIED (REFER PATTERN MASTER LIST)" at 10411.09,-15116.26 h50
  text "SQUARE CUT" at 10411.09,-15236.26 h50
  text "N.C. ROUTE" at 11111.09,-15236.26 h50
  text "V. SCORE" at 11811.09,-15236.26 h50
  text "BLANK" at 12511.09,-15236.26 h50
  text "ACCEPTABILITY:" at 9401.09,-15341.26 h60
  text "MATERIALS AND WORKMANSHIP FOR ALL PRINTED WIRING BOARDS TO MEET" at 10276.09,-15346.26 h50
  text "OR EXCEED THE REQUIREMENTS OF:" at 10276.09,-15456.26 h50
  text "IPC-6011/12 AND IPC-A-600E" at 10416.09,-15561.26 h50
  text "1" at 11816.09,-15561.26 h50
  text "2" at 12166.09,-15561.26 h50
  text "X" at 12061.09,-15566.26 h60
  text "X" at 10311.09,-15571.26 h60
  text "3" at 12516.09,-15646.26 h50
  text "UL CERTIFICATION" at 10416.09,-15681.26 h50
  text "AUSTEL" at 11816.09,-15681.26 h50
  text "X" at 10311.09,-15686.26 h60
  text "ML-P-55110F GRP" at 10396.09,-15801.26 h40
  text "A" at 11116.09,-15801.26 h50
  text "B" at 11466.09,-15801.26 h50
  text "AS2546" at 11816.09,-15801.26 h50
  text "OTHER" at 12516.09,-15801.26 h50
  text "ADDITIONAL" at 9401.09,-15916.26 h60
  text "NONE" at 10416.09,-15926.26 h50
  text "SAMPLE PLAN" at 11116.09,-15926.26 h50
  text "MIL-P-55110E SERIAL Nos. PER ORDER" at 11816.09,-15926.26 h50
  text "REQUIREMENTS:" at 9401.09,-16011.26 h60
  text "NONE" at 10416.09,-16046.26 h50
  text "ML-P-55110F GRP" at 11096.09,-16046.26 h40
  text "A" at 11816.09,-16046.26 h50
  text "B" at 12166.09,-16046.26 h50
  text "IPC CLASS:" at 12401.09,-16046.26 h50
  text "1" at 13011.09,-16046.26 h50
  text "2" at 13261.09,-16046.26 h50
  text "3" at 13511.09,-16046.26 h50
  text "QUALITY RELEASE REPORT" at 11116.09,-16166.26 h50
  text "OTHER" at 12711.09,-16166.26 h50
  text "PER ORDER" at 13046.09,-16171.26 h50
  text "X" at 12606.09,-16176.26 h60
  text "NONE" at 11116.09,-16286.26 h50
  text "REQUIRED" at 11816.09,-16286.26 h50
  text "PER ORDER" at 12716.09,-16286.26 h50
  text "ELECTRICAL TEST:" at 9401.09,-16291.26 h60
  text "X" at 11711.09,-16291.26 h60
  text "NONE" at 11116.09,-16406.26 h50
  text "1 SIDE" at 11811.09,-16406.26 h45
  text "2 SIDES" at 12251.09,-16406.26 h45
  text "MIN. PITCH" at 12711.09,-16406.26 h50
  text "0.65mm" at 13246.09,-16406.26 h50
  text "SURFACE MOUNT:" at 9401.09,-16411.26 h60
  text "X" at 12163.1,-16414.25 h60
  text "NONE" at 11116.09,-16526.26 h50
  text "FOIL" at 11816.09,-16526.26 h50
  text "LEGEND" at 12266.09,-16526.26 h50
  text "REFER" at 12711.09,-16526.26 h50
  text "MANUFACTURER'S ID/LOGO:" at 9401.09,-16531.26 h60
  text "ISO9001/AS3901" at 11266.09,-16646.26 h50
  text "NONE" at 12711.09,-16646.26 h50
  text "MANUFACTURER'S ACCREDITATION:" at 9401.09,-16651.26 h60
  text "X" at 11161.09,-16651.26 h60
  text "PER ORDER" at 11116.09,-16766.26 h50
  text "REFER" at 11816.09,-16766.26 h50
  text "PACKAGING AND HANDLING:" at 9401.09,-16771.26 h60
  text "X" at 11011.09,-16776.26 h60
Drill Drawing:
  text ".legend" at 12240,-200 h60

## Text inside footprints (layer, text, board x,y; h text height)
BATT1: Top Overlay "POS" at 2585.69,2746.35 h157.48; Top Overlay "+" at 3050,2720 h275.59; Top Overlay "NEG" at 535.69,2738.34 h157.48; Bottom Overlay "POS" at 2860.69,2751.45 h157.48; Bottom Overlay "+++" at 2879.12,2192.64 h196.85; Bottom Overlay "+" at 2489.39,2442.95 h275.59; Bottom Overlay "NEG" at 810.69,2738.34 h157.48; Bottom Overlay "- - -" at 796.52,2207.28 h196.85
CANADAFLAG1: Top Overlay "Made in Canada" at 489,1163 h93
CANADAFLAG2: Bottom Overlay "Made in Canada" at 926,1158 h93